# KiCad board helios-panel.kicad_pcb (continued)
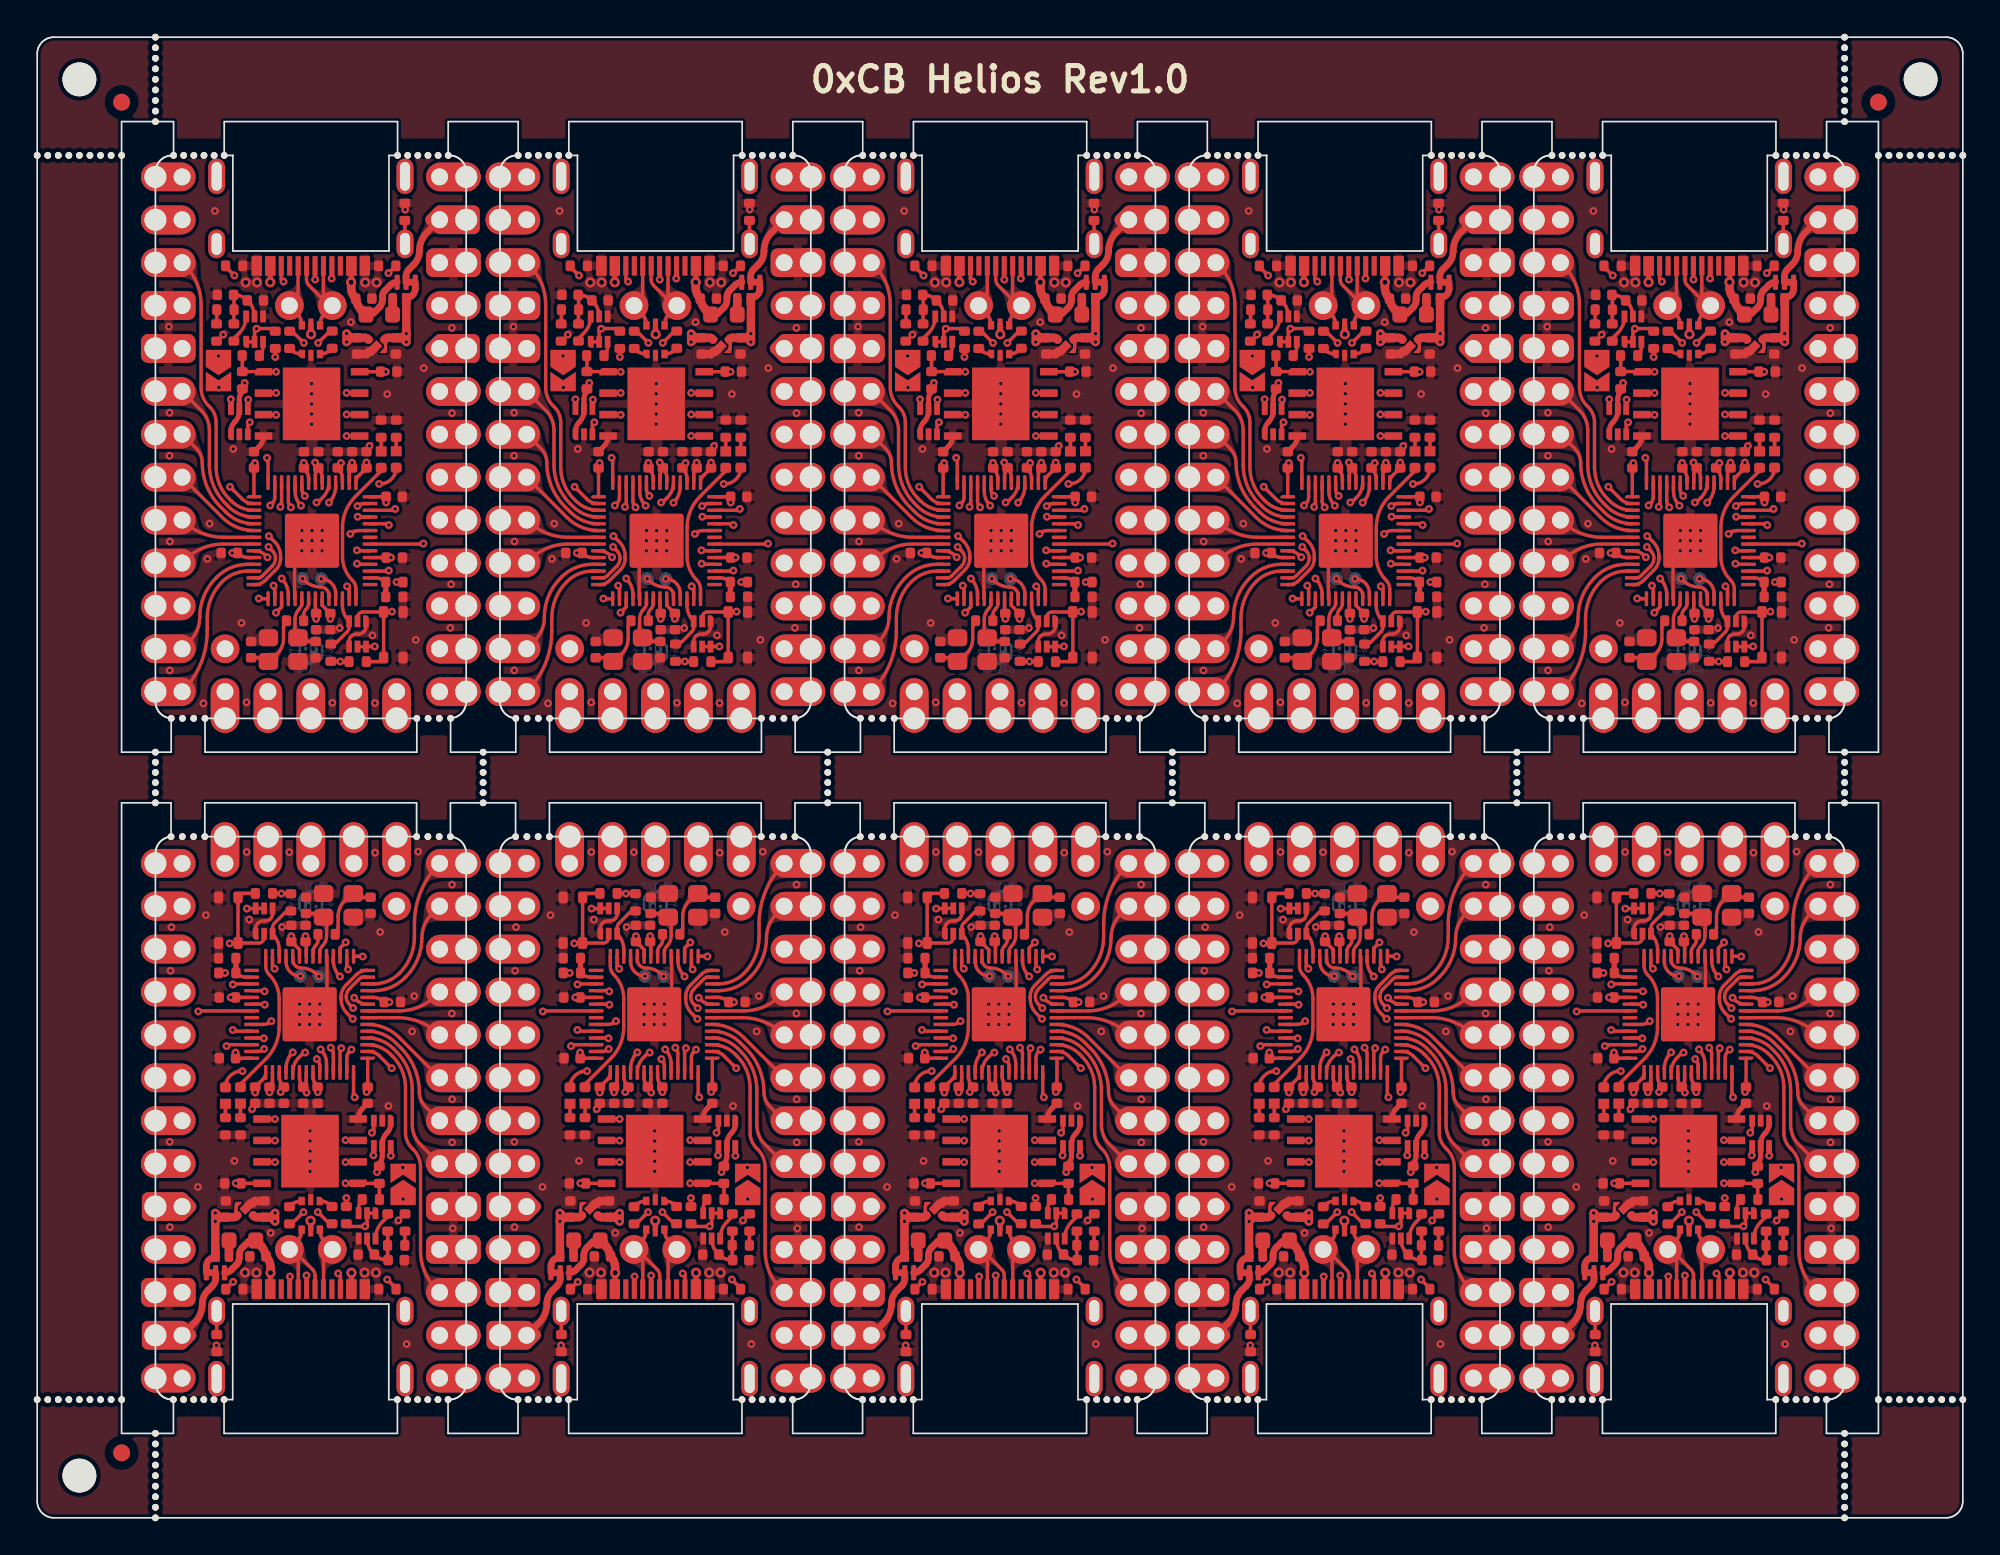
[diagram p0: board, top side]
## Copper pours and planes (outline as drawn; the poured copper is in the pictures) (continued)
Board_1-/PORT- on Top: 37.24,73.29 37.24,73.08 37.22,72.91 37.2,72.75 37.17,72.62 37.1,72.38 37.07,72.26 37.04,72.12 37.03,71.96 37.02,71.77 38.13,71.43 38.25,72.53 38.12,72.59 37.88,72.69 37.77,72.74 37.68,72.79 37.6,72.85 37.53,72.93 37.49,73.02 37.46,73.15 37.45,73.29
Board_1-/PORT- on Top: 36.51,72.8 36.65,72.65 36.75,72.5 36.82,72.37 36.87,72.24 36.9,72.11 36.95,71.84 36.98,71.7 37.04,71.54 37.12,71.37 38.21,71.52 38.02,72.61 37.85,72.63 37.69,72.64 37.55,72.63 37.42,72.63 37.29,72.63 37.17,72.64 37.05,72.67 36.93,72.73 36.8,72.82 36.65,72.94
Board_1-/PORT- on Top: 37.24,70.6 37.25,70.67 37.26,70.74 37.29,70.8 37.31,70.86 37.34,70.91 37.37,70.95 37.45,71.03 38.13,72.11 37.26,71.18 37.18,71.06 37.15,71 37.12,70.94 37.09,70.86 37.07,70.78 37.05,70.69 37.04,70.6
Board_1-/RAW on Top: 43.31,75.47 43.39,75.64 43.47,75.77 43.56,75.87 43.66,75.94 43.76,76 43.88,76.04 44.01,76.07 44.14,76.1 44.29,76.14 44.45,76.19 44.47,77.1 43.56,77.08 43.49,76.9 43.43,76.75 43.38,76.62 43.32,76.5 43.21,76.27 43.15,76.14 43.09,75.99 43.02,75.82 42.94,75.61
Board_1-/RESET on In2.Cu: 43.32,70.35 43.42,70.51 43.52,70.63 43.62,70.72 43.73,70.78 43.85,70.81 43.97,70.84 44.1,70.86 44.25,70.89 44.4,70.93 44.56,70.99 44.5,72.09 43.4,71.98 43.36,71.8 43.34,71.63 43.33,71.49 43.33,71.35 43.33,71.22 43.33,71.09 43.32,70.96 43.29,70.81 43.23,70.64 43.14,70.44
Board_1-/RGB_5V on In2.Cu: 31.78,53.14 31.69,52.95 31.59,52.79 31.5,52.67 31.41,52.56 31.31,52.47 31.22,52.39 31.12,52.29 31.02,52.19 30.91,52.06 30.8,51.9 31.48,51.03 32.32,51.74 32.26,51.9 32.18,52.04 32.1,52.16 32.03,52.27 31.96,52.38 31.91,52.49 31.88,52.61 31.88,52.74 31.9,52.89 31.97,53.06
Board_1-GND on Top: 42.19,69.38 42.2,68.38 38.8,68.38 38.8,69.38
Board_1-GND on Top, Bottom: 24.92,84.87 49.42,84.87 49.42,45.37 24.92,45.37
Board_1-Net-(C8-Pad2) on Top: 34.79,51.59 34.74,51.48 34.68,51.4 34.61,51.34 34.54,51.29 34.46,51.27 34.38,51.25 34.29,51.24 34.19,51.22 34.09,51.21 33.98,51.19 33.9,50.54 34.55,50.51 34.98,51.51
Board_1-Net-(J1-SHIELD) on Top: 42.07,76.41 42.06,76.3 42.05,76.2 42.03,76.12 41.99,76.05 41.96,75.99 41.91,75.93 41.87,75.87 41.82,75.8 41.77,75.73 41.72,75.63 42.18,75.17 42.62,75.64 42.57,75.73 42.52,75.81 42.47,75.88 42.43,75.93 42.38,75.99 42.35,76.05 42.32,76.12 42.29,76.2 42.28,76.3 42.27,76.41
Board_1-Net-(U4-XTAL_IN) on Top: 35.56,53.07 35.56,52.94 35.55,52.83 35.52,52.74 35.5,52.66 35.47,52.59 35.44,52.52 35.41,52.44 35.38,52.36 35.36,52.26 35.34,52.15 35.93,51.87 36.19,52.46 36.12,52.52 36.05,52.58 35.99,52.62 35.94,52.67 35.89,52.71 35.85,52.76 35.81,52.82 35.79,52.89 35.77,52.97 35.77,53.07
Board_2-+3V3 on In1.Cu, In2.Cu: 44.33,83.87 68.83,83.87 68.83,44.37 44.33,44.37
Board_2-/0_TX0 on In1.Cu: 50.18,75.29 50.08,75.46 50.02,75.61 50,75.75 50,75.88 50.02,76 50.06,76.13 50.1,76.26 50.15,76.4 50.19,76.56 50.22,76.74 49.25,77.25 48.77,76.26 48.92,76.12 49.05,76.01 49.18,75.92 49.3,75.85 49.41,75.78 49.53,75.7 49.64,75.62 49.76,75.5 49.88,75.36 50.01,75.18
Board_2-/1_RX0 on Top: 50.42,72.95 50.35,73.15 50.31,73.33 50.29,73.48 50.28,73.62 50.28,73.75 50.28,73.88 50.28,74.02 50.27,74.16 50.25,74.32 50.21,74.51 49.11,74.64 49.03,73.54 49.19,73.47 49.34,73.43 49.49,73.41 49.62,73.38 49.75,73.36 49.87,73.32 49.98,73.26 50.07,73.17 50.16,73.05 50.23,72.88
Board_2-/2_SDA1 on Top: 51.03,64.85 50.95,65.14 50.86,65.39 50.77,65.59 50.69,65.77 50.61,65.93 50.52,66.09 50.44,66.25 50.36,66.44 50.28,66.65 50.2,66.91 49.08,66.99 49.1,65.89 49.35,65.81 49.59,65.75 49.81,65.71 50.01,65.66 50.19,65.6 50.36,65.52 50.51,65.41 50.64,65.26 50.75,65.06 50.84,64.8
Board_2-/3_SCL1 on Top: 50.67,62.57 50.64,62.8 50.6,63 50.55,63.16 50.5,63.3 50.44,63.43 50.39,63.56 50.34,63.7 50.29,63.84 50.25,64.02 50.23,64.23 49.08,64.45 49.1,63.35 49.3,63.29 49.49,63.25 49.68,63.22 49.85,63.19 50.01,63.16 50.15,63.1 50.27,63.03 50.36,62.91 50.43,62.76 50.47,62.55
Board_2-/4 on Top: 50.65,60.49 50.51,60.64 50.42,60.77 50.36,60.9 50.32,61.03 50.3,61.15 50.29,61.28 50.28,61.41 50.26,61.56 50.23,61.71 50.18,61.89 49.08,61.91 49.1,60.81 49.28,60.76 49.43,60.73 49.58,60.71 49.71,60.7 49.84,60.69 49.96,60.67 50.09,60.63 50.22,60.57 50.35,60.48 50.5,60.34
Board_2-/5 on Top: 50.85,58.3 50.68,58.36 50.56,58.44 50.46,58.53 50.4,58.63 50.35,58.74 50.32,58.87 50.29,59 50.26,59.14 50.21,59.29 50.14,59.44 49.05,59.33 49.2,58.24 49.39,58.21 49.56,58.19 49.71,58.19 49.84,58.2 49.97,58.2 50.1,58.21 50.24,58.21 50.4,58.2 50.58,58.16 50.79,58.11
Board_2-/6 on Top: 50.74,57.57 50.53,57.51 50.35,57.47 50.2,57.44 50.06,57.43 49.93,57.43 49.8,57.43 49.67,57.43 49.53,57.42 49.36,57.4 49.17,57.35 49.05,56.26 50.15,56.18 50.22,56.34 50.26,56.5 50.28,56.64 50.31,56.78 50.33,56.91 50.37,57.02 50.43,57.13 50.51,57.23 50.64,57.31 50.8,57.38
Board_2-/7 on In2.Cu: 51.02,54.36 50.84,54.31 50.68,54.29 50.55,54.31 50.43,54.35 50.32,54.4 50.21,54.47 50.1,54.55 49.98,54.63 49.85,54.71 49.69,54.78 48.96,53.96 49.81,53.26 49.97,53.36 50.1,53.46 50.21,53.56 50.3,53.66 50.39,53.75 50.49,53.84 50.59,53.93 50.72,54.01 50.88,54.09 51.08,54.17
Board_2-/8 on Top: 50.26,52.84 50.2,52.67 50.13,52.55 50.03,52.47 49.93,52.41 49.81,52.38 49.67,52.36 49.53,52.34 49.38,52.32 49.22,52.29 49.06,52.24 49.1,51.13 50.2,51.24 50.25,51.42 50.28,51.58 50.3,51.73 50.31,51.86 50.33,52.11 50.35,52.25 50.37,52.4 50.41,52.58 50.46,52.79
Board_2-/9 on Top: 50.27,50.33 50.18,50.17 50.08,50.05 49.98,49.96 49.87,49.91 49.75,49.87 49.63,49.84 49.49,49.82 49.35,49.79 49.2,49.75 49.03,49.69 49.11,48.59 50.2,48.7 50.24,48.89 50.26,49.05 50.27,49.2 50.27,49.33 50.26,49.46 50.27,49.59 50.28,49.73 50.31,49.88 50.37,50.05 50.45,50.25
Board_2-/10 on In2.Cu: 50.41,78.02 50.33,78.22 50.29,78.4 50.26,78.55 50.25,78.69 50.26,78.82 50.26,78.95 50.27,79.09 50.26,79.23 50.24,79.4 50.21,79.59 49.11,79.72 49.02,78.62 49.18,78.55 49.33,78.51 49.48,78.48 49.61,78.45 49.73,78.42 49.85,78.38 49.95,78.32 50.05,78.23 50.14,78.11 50.22,77.94
Board_2-/11 on In1.Cu: 63.79,77.94 63.87,78.11 63.95,78.23 64.05,78.32 64.16,78.38 64.27,78.42 64.39,78.45 64.53,78.48 64.67,78.51 64.82,78.56 64.98,78.62 64.89,79.72 63.79,79.59 63.76,79.4 63.74,79.23 63.74,79.08 63.74,78.95 63.75,78.82 63.75,78.69 63.74,78.55 63.72,78.4 63.67,78.22 63.6,78.02
Board_2-/12 on In1.Cu: 52.87,50.3 52.77,50.14 52.66,50.03 52.55,49.95 52.43,49.89 52.31,49.86 52.19,49.84 52.06,49.82 51.91,49.79 51.76,49.75 51.59,49.69 51.64,48.59 52.74,48.68 52.78,48.87 52.8,49.03 52.81,49.17 52.81,49.44 52.82,49.57 52.84,49.7 52.88,49.85 52.95,50.01 53.05,50.2
Board_2-/13 on In1.Cu: 54.36,50.6 54.35,50.4 54.32,50.24 54.27,50.1 54.21,49.99 54.13,49.88 54.05,49.79 53.96,49.69 53.87,49.57 53.78,49.44 53.69,49.28 54.46,48.48 55.22,49.28 55.14,49.44 55.05,49.57 54.96,49.69 54.87,49.79 54.79,49.88 54.71,49.99 54.65,50.1 54.6,50.24 54.57,50.4 54.56,50.6
Board_2-/14 on In1.Cu: 55.83,50.16 55.93,49.98 56,49.82 56.05,49.68 56.07,49.54 56.09,49.42 56.1,49.15 56.11,49.01 56.14,48.85 56.19,48.67 57.29,48.6 57.31,49.7 57.14,49.76 56.99,49.79 56.84,49.81 56.7,49.83 56.58,49.85 56.46,49.88 56.34,49.92 56.22,50 56.11,50.11 56,50.27
Board_2-/15 on In1.Cu: 58.27,50.03 58.41,49.88 58.5,49.75 58.56,49.62 58.6,49.49 58.62,49.37 58.63,49.24 58.64,49.11 58.66,48.96 58.69,48.81 58.74,48.63 59.84,48.61 59.82,49.71 59.64,49.76 59.49,49.79 59.34,49.81 59.21,49.82 59.08,49.83 58.96,49.85 58.83,49.89 58.7,49.95 58.57,50.04 58.42,50.18
Board_2-/16 on In1.Cu: 60.83,50.08 60.95,49.92 61.04,49.77 61.09,49.63 61.13,49.5 61.15,49.37 61.16,49.25 61.17,49.11 61.19,48.97 61.22,48.81 61.28,48.63 62.38,48.61 62.36,49.71 62.18,49.76 62.03,49.79 61.88,49.81 61.74,49.82 61.61,49.83 61.49,49.85 61.37,49.89 61.25,49.96 61.12,50.06 60.99,50.21
Board_2-/20_SDI on In1.Cu: 63.35,55.11 63.49,54.96 63.58,54.83 63.64,54.7 63.68,54.57 63.7,54.45 63.71,54.32 63.72,54.19 63.74,54.04 63.77,53.89 63.82,53.71 64.92,53.69 64.9,54.79 64.72,54.84 64.57,54.87 64.42,54.89 64.29,54.9 64.16,54.91 64.04,54.93 63.91,54.97 63.78,55.03 63.65,55.12 63.5,55.26
Board_2-/21_CS on In1.Cu: 63.35,50.03 63.49,49.88 63.58,49.75 63.64,49.62 63.68,49.49 63.7,49.37 63.71,49.24 63.72,49.11 63.74,48.96 63.77,48.81 63.82,48.63 64.92,48.61 64.9,49.71 64.72,49.76 64.57,49.79 64.42,49.81 64.29,49.82 64.16,49.83 64.04,49.85 63.91,49.89 63.78,49.95 63.65,50.04 63.5,50.18
Board_2-/22_SCK on In1.Cu: 63.11,57.19 63.28,57.15 63.41,57.09 63.51,57.01 63.58,56.92 63.63,56.81 63.67,56.69 63.71,56.56 63.75,56.43 63.8,56.28 63.87,56.13 64.96,56.28 64.75,57.37 64.56,57.39 64.39,57.4 64.25,57.4 64.11,57.39 63.85,57.36 63.71,57.35 63.55,57.35 63.37,57.36 63.15,57.39
Board_2-/23_SDO on In2.Cu: 63.6,52.82 63.66,52.61 63.7,52.44 63.72,52.28 63.72,52.14 63.73,52.01 63.72,51.88 63.73,51.75 63.73,51.6 63.75,51.44 63.79,51.25 64.89,51.12 64.98,52.22 64.81,52.28 64.66,52.33 64.52,52.35 64.38,52.38 64.25,52.41 64.14,52.44 64.03,52.5 63.94,52.59 63.86,52.72 63.79,52.88
Board_2-/A0 on In1.Cu: 62.97,58.67 63.19,58.66 63.38,58.63 63.53,58.59 63.67,58.54 63.79,58.48 63.91,58.41 64.03,58.35 64.18,58.3 64.34,58.25 64.54,58.22 65.02,59.22 64.01,59.66 63.9,59.54 63.81,59.42 63.66,59.2 63.58,59.11 63.5,59.03 63.4,58.97 63.29,58.92 63.14,58.89 62.97,58.88
Board_2-/A1 on In1.Cu: 63.5,60.34 63.65,60.48 63.78,60.57 63.91,60.63 64.04,60.67 64.16,60.69 64.29,60.7 64.42,60.71 64.57,60.73 64.72,60.76 64.9,60.81 64.92,61.91 63.82,61.89 63.77,61.71 63.74,61.56 63.72,61.41 63.71,61.28 63.7,61.15 63.68,61.03 63.64,60.9 63.58,60.77 63.49,60.64 63.35,60.49
Board_2-/A2 on In1.Cu: 63.5,62.88 63.65,63.02 63.78,63.11 63.91,63.17 64.04,63.21 64.16,63.23 64.29,63.24 64.42,63.25 64.57,63.27 64.72,63.3 64.9,63.35 64.92,64.45 63.82,64.43 63.77,64.25 63.74,64.1 63.72,63.95 63.71,63.82 63.7,63.69 63.68,63.57 63.64,63.44 63.58,63.31 63.49,63.18 63.35,63.03
Board_2-/A3 on In1.Cu: 63.5,65.42 63.65,65.56 63.78,65.65 63.91,65.71 64.04,65.75 64.16,65.77 64.29,65.78 64.42,65.79 64.57,65.81 64.72,65.84 64.9,65.89 64.92,66.99 63.82,66.97 63.77,66.79 63.74,66.64 63.72,66.49 63.71,66.36 63.7,66.23 63.68,66.11 63.64,65.98 63.58,65.85 63.49,65.72 63.35,65.57
Board_2-/PORT+ on Top: 56.57,70.6 56.56,70.69 56.54,70.78 56.52,70.86 56.49,70.94 56.45,71.01 56.42,71.06 56.34,71.18 55.47,72.1 56.16,71.04 56.24,70.95 56.27,70.91 56.3,70.86 56.32,70.8 56.35,70.74 56.36,70.67 56.37,70.6
Board_2-/PORT+ on Top: 56.14,73.31 56.13,73.15 56.1,73.03 56.05,72.93 55.99,72.85 55.91,72.79 55.81,72.74 55.71,72.69 55.59,72.64 55.47,72.59 55.34,72.53 55.47,71.43 56.58,71.77 56.57,71.96 56.56,72.12 56.53,72.26 56.5,72.38 56.43,72.63 56.4,72.76 56.37,72.91 56.35,73.09 56.34,73.31
Board_2-/PORT+ on In1.Cu: 56.94,72.96 56.8,72.83 56.66,72.74 56.54,72.68 56.42,72.65 56.3,72.64 56.17,72.64 56.04,72.64 55.9,72.64 55.74,72.63 55.56,72.6 55.39,71.51 56.49,71.38 56.57,71.56 56.62,71.72 56.65,71.86 56.7,72.12 56.73,72.25 56.77,72.38 56.84,72.52 56.94,72.66 57.08,72.82
Board_2-/PORT- on Top: 57.64,73.29 57.64,73.08 57.62,72.91 57.6,72.75 57.57,72.62 57.5,72.38 57.47,72.26 57.44,72.12 57.43,71.96 57.42,71.77 58.53,71.43 58.65,72.53 58.52,72.59 58.28,72.69 58.17,72.74 58.08,72.79 58,72.85 57.93,72.93 57.89,73.02 57.86,73.15 57.84,73.29
Board_2-/PORT- on Top: 56.91,72.8 57.05,72.65 57.15,72.5 57.22,72.37 57.27,72.24 57.3,72.11 57.35,71.84 57.38,71.7 57.44,71.54 57.52,71.37 58.61,71.52 58.42,72.61 58.25,72.63 58.09,72.64 57.95,72.63 57.82,72.63 57.69,72.63 57.57,72.64 57.45,72.67 57.33,72.73 57.2,72.82 57.05,72.94
Board_2-/PORT- on Top: 57.64,70.6 57.65,70.67 57.66,70.74 57.69,70.8 57.71,70.86 57.74,70.91 57.77,70.95 57.85,71.03 58.53,72.11 57.66,71.18 57.58,71.06 57.55,71 57.52,70.94 57.49,70.86 57.47,70.78 57.45,70.69 57.44,70.6
Board_2-/RAW on Top: 63.71,75.47 63.79,75.64 63.87,75.77 63.96,75.87 64.06,75.94 64.16,76 64.28,76.04 64.41,76.07 64.54,76.1 64.69,76.14 64.85,76.19 64.87,77.1 63.96,77.08 63.89,76.9 63.83,76.75 63.78,76.62 63.72,76.5 63.61,76.27 63.55,76.14 63.49,75.99 63.42,75.82 63.34,75.61
Board_2-/RESET on In2.Cu: 63.72,70.35 63.82,70.51 63.92,70.63 64.02,70.72 64.13,70.78 64.25,70.81 64.37,70.84 64.5,70.86 64.65,70.89 64.8,70.93 64.96,70.99 64.9,72.09 63.8,71.98 63.76,71.8 63.74,71.63 63.73,71.49 63.73,71.35 63.73,71.22 63.73,71.09 63.72,70.96 63.69,70.81 63.63,70.64 63.54,70.44
Board_2-/RGB_5V on In2.Cu: 52.18,53.14 52.09,52.95 51.99,52.79 51.9,52.67 51.81,52.56 51.71,52.47 51.62,52.39 51.52,52.29 51.42,52.19 51.31,52.06 51.2,51.9 51.88,51.03 52.72,51.74 52.66,51.9 52.58,52.04 52.5,52.16 52.43,52.27 52.36,52.38 52.31,52.49 52.28,52.61 52.28,52.74 52.3,52.89 52.37,53.06
Board_2-GND on Top: 62.58,69.38 62.59,68.38 59.2,68.38 59.2,69.38
Board_2-GND on Top, Bottom: 45.33,84.87 69.83,84.87 69.83,45.37 45.33,45.37
Board_2-Net-(C8-Pad2) on Top: 55.19,51.59 55.14,51.48 55.08,51.4 55.01,51.34 54.94,51.29 54.86,51.27 54.78,51.25 54.69,51.24 54.59,51.22 54.49,51.21 54.38,51.19 54.3,50.54 54.95,50.51 55.38,51.51
Board_2-Net-(J1-SHIELD) on Top: 62.47,76.41 62.46,76.3 62.45,76.2 62.43,76.12 62.39,76.05 62.36,75.99 62.31,75.93 62.27,75.87 62.22,75.8 62.17,75.73 62.12,75.63 62.58,75.17 63.02,75.64 62.97,75.73 62.92,75.81 62.87,75.88 62.83,75.93 62.78,75.99 62.75,76.05 62.72,76.12 62.69,76.2 62.68,76.3 62.67,76.41
Board_2-Net-(U4-XTAL_IN) on Top: 55.97,53.07 55.96,52.94 55.95,52.83 55.92,52.74 55.9,52.66 55.87,52.59 55.84,52.52 55.81,52.44 55.78,52.36 55.76,52.26 55.74,52.15 56.33,51.87 56.59,52.46 56.52,52.52 56.45,52.58 56.39,52.62 56.34,52.67 56.29,52.71 56.25,52.76 56.21,52.82 56.19,52.89 56.17,52.97 56.17,53.07
Board_3-+3V3 on In1.Cu, In2.Cu: 64.72,83.87 89.22,83.87 89.22,44.37 64.72,44.37
Board_3-/0_TX0 on In1.Cu: 70.58,75.29 70.48,75.46 70.42,75.61 70.4,75.75 70.4,75.88 70.42,76 70.46,76.13 70.5,76.26 70.55,76.4 70.59,76.56 70.62,76.74 69.65,77.25 69.17,76.26 69.32,76.12 69.45,76.01 69.58,75.92 69.7,75.85 69.81,75.78 69.93,75.7 70.04,75.62 70.16,75.5 70.28,75.36 70.41,75.18
Board_3-/1_RX0 on Top: 70.82,72.95 70.75,73.15 70.71,73.33 70.69,73.48 70.68,73.62 70.68,73.75 70.68,73.88 70.68,74.02 70.67,74.16 70.65,74.32 70.61,74.51 69.51,74.64 69.43,73.54 69.59,73.47 69.74,73.43 69.89,73.41 70.02,73.38 70.15,73.36 70.27,73.32 70.38,73.26 70.47,73.17 70.56,73.05 70.63,72.88
Board_3-/2_SDA1 on Top: 71.43,64.85 71.35,65.14 71.26,65.39 71.17,65.59 71.09,65.77 71.01,65.93 70.92,66.09 70.84,66.25 70.76,66.44 70.68,66.65 70.6,66.91 69.48,66.99 69.5,65.89 69.75,65.81 69.99,65.75 70.21,65.71 70.41,65.66 70.59,65.6 70.76,65.52 70.91,65.41 71.04,65.26 71.15,65.06 71.24,64.8
Board_3-/3_SCL1 on Top: 71.07,62.57 71.04,62.8 71,63 70.95,63.16 70.9,63.3 70.84,63.43 70.79,63.56 70.74,63.7 70.69,63.84 70.65,64.02 70.63,64.23 69.48,64.45 69.5,63.35 69.7,63.29 69.89,63.25 70.08,63.22 70.25,63.19 70.41,63.16 70.55,63.1 70.67,63.03 70.76,62.91 70.83,62.76 70.87,62.55
Board_3-/4 on Top: 71.05,60.49 70.91,60.64 70.82,60.77 70.76,60.9 70.72,61.03 70.7,61.15 70.69,61.28 70.68,61.41 70.66,61.56 70.63,61.71 70.58,61.89 69.48,61.91 69.5,60.81 69.68,60.76 69.83,60.73 69.98,60.71 70.11,60.7 70.24,60.69 70.36,60.67 70.49,60.63 70.62,60.57 70.75,60.48 70.9,60.34
Board_3-/5 on Top: 71.25,58.3 71.08,58.36 70.96,58.44 70.86,58.53 70.8,58.63 70.75,58.74 70.72,58.87 70.69,59 70.66,59.14 70.61,59.29 70.54,59.44 69.45,59.33 69.6,58.24 69.79,58.21 69.96,58.19 70.11,58.19 70.24,58.2 70.37,58.2 70.5,58.21 70.64,58.21 70.8,58.2 70.98,58.16 71.19,58.11
Board_3-/6 on Top: 71.14,57.57 70.93,57.51 70.75,57.47 70.6,57.44 70.46,57.43 70.33,57.43 70.2,57.43 70.07,57.43 69.93,57.42 69.76,57.4 69.57,57.35 69.45,56.26 70.55,56.18 70.62,56.34 70.66,56.5 70.68,56.64 70.71,56.78 70.73,56.91 70.77,57.02 70.83,57.13 70.91,57.23 71.04,57.31 71.2,57.38
Board_3-/7 on In2.Cu: 71.42,54.36 71.24,54.31 71.08,54.29 70.95,54.31 70.83,54.35 70.72,54.4 70.61,54.47 70.5,54.55 70.38,54.63 70.25,54.71 70.09,54.78 69.36,53.96 70.21,53.26 70.37,53.36 70.5,53.46 70.61,53.56 70.7,53.66 70.79,53.75 70.89,53.84 70.99,53.93 71.12,54.01 71.28,54.09 71.48,54.17
Board_3-/8 on Top: 70.66,52.84 70.6,52.67 70.53,52.55 70.43,52.47 70.33,52.41 70.21,52.38 70.07,52.36 69.93,52.34 69.78,52.32 69.62,52.29 69.46,52.24 69.5,51.13 70.6,51.24 70.65,51.42 70.68,51.58 70.7,51.73 70.71,51.86 70.73,52.11 70.75,52.25 70.77,52.4 70.81,52.58 70.86,52.79
Board_3-/9 on Top: 70.67,50.33 70.58,50.17 70.48,50.05 70.38,49.96 70.27,49.91 70.15,49.87 70.03,49.84 69.89,49.82 69.75,49.79 69.6,49.75 69.43,49.69 69.51,48.59 70.6,48.7 70.64,48.89 70.66,49.05 70.67,49.2 70.67,49.33 70.66,49.46 70.67,49.59 70.68,49.73 70.71,49.88 70.77,50.05 70.85,50.25
Board_3-/10 on In2.Cu: 70.81,78.02 70.73,78.22 70.69,78.4 70.66,78.55 70.65,78.69 70.66,78.82 70.66,78.95 70.67,79.09 70.66,79.23 70.64,79.4 70.61,79.59 69.51,79.72 69.42,78.62 69.58,78.55 69.73,78.51 69.88,78.48 70.01,78.45 70.13,78.42 70.25,78.38 70.35,78.32 70.45,78.23 70.54,78.11 70.62,77.94
Board_3-/11 on In1.Cu: 84.19,77.94 84.27,78.11 84.35,78.23 84.45,78.32 84.56,78.38 84.67,78.42 84.79,78.45 84.93,78.48 85.07,78.51 85.22,78.56 85.38,78.62 85.29,79.72 84.19,79.59 84.16,79.4 84.14,79.23 84.14,79.08 84.14,78.95 84.15,78.82 84.15,78.69 84.14,78.55 84.12,78.4 84.07,78.22 84,78.02
Board_3-/12 on In1.Cu: 73.27,50.3 73.17,50.14 73.06,50.03 72.95,49.95 72.83,49.89 72.71,49.86 72.59,49.84 72.46,49.82 72.31,49.79 72.16,49.75 71.99,49.69 72.04,48.59 73.14,48.68 73.18,48.87 73.2,49.03 73.21,49.17 73.21,49.44 73.22,49.57 73.24,49.7 73.28,49.85 73.35,50.01 73.45,50.2
Board_3-/13 on In1.Cu: 74.76,50.6 74.75,50.4 74.72,50.24 74.67,50.1 74.61,49.99 74.53,49.88 74.45,49.79 74.36,49.69 74.27,49.57 74.18,49.44 74.09,49.28 74.86,48.48 75.62,49.28 75.54,49.44 75.45,49.57 75.36,49.69 75.27,49.79 75.19,49.88 75.11,49.99 75.05,50.1 75,50.24 74.97,50.4 74.96,50.6
Board_3-/14 on In1.Cu: 76.23,50.16 76.33,49.98 76.4,49.82 76.45,49.68 76.47,49.54 76.49,49.42 76.5,49.15 76.51,49.01 76.54,48.85 76.59,48.67 77.69,48.6 77.71,49.7 77.54,49.76 77.39,49.79 77.24,49.81 77.1,49.83 76.98,49.85 76.86,49.88 76.74,49.92 76.62,50 76.51,50.11 76.4,50.27
Board_3-/15 on In1.Cu: 78.67,50.03 78.81,49.88 78.9,49.75 78.96,49.62 79,49.49 79.02,49.37 79.03,49.24 79.04,49.11 79.06,48.96 79.09,48.81 79.14,48.63 80.24,48.61 80.22,49.71 80.04,49.76 79.89,49.79 79.74,49.81 79.61,49.82 79.48,49.83 79.36,49.85 79.23,49.89 79.1,49.95 78.97,50.04 78.82,50.18
Board_3-/16 on In1.Cu: 81.23,50.08 81.35,49.92 81.44,49.77 81.49,49.63 81.53,49.5 81.55,49.37 81.56,49.25 81.57,49.11 81.59,48.97 81.62,48.81 81.68,48.63 82.78,48.61 82.76,49.71 82.58,49.76 82.43,49.79 82.28,49.81 82.14,49.82 82.01,49.83 81.89,49.85 81.77,49.89 81.65,49.96 81.52,50.06 81.39,50.21
Board_3-/20_SDI on In1.Cu: 83.75,55.11 83.89,54.96 83.98,54.83 84.04,54.7 84.08,54.57 84.1,54.45 84.11,54.32 84.12,54.19 84.14,54.04 84.17,53.89 84.22,53.71 85.32,53.69 85.3,54.79 85.12,54.84 84.97,54.87 84.82,54.89 84.69,54.9 84.56,54.91 84.44,54.93 84.31,54.97 84.18,55.03 84.05,55.12 83.9,55.26
Board_3-/21_CS on In1.Cu: 83.75,50.03 83.89,49.88 83.98,49.75 84.04,49.62 84.08,49.49 84.1,49.37 84.11,49.24 84.12,49.11 84.14,48.96 84.17,48.81 84.22,48.63 85.32,48.61 85.3,49.71 85.12,49.76 84.97,49.79 84.82,49.81 84.69,49.82 84.56,49.83 84.44,49.85 84.31,49.89 84.18,49.95 84.05,50.04 83.9,50.18
Board_3-/22_SCK on In1.Cu: 83.51,57.19 83.68,57.15 83.81,57.09 83.91,57.01 83.98,56.92 84.03,56.81 84.07,56.69 84.11,56.56 84.15,56.43 84.2,56.28 84.27,56.13 85.36,56.28 85.15,57.37 84.96,57.39 84.79,57.4 84.65,57.4 84.51,57.39 84.25,57.36 84.11,57.35 83.95,57.35 83.77,57.36 83.55,57.39
Board_3-/23_SDO on In2.Cu: 84,52.82 84.06,52.61 84.1,52.44 84.12,52.28 84.12,52.14 84.13,52.01 84.12,51.88 84.13,51.75 84.13,51.6 84.15,51.44 84.19,51.25 85.29,51.12 85.38,52.22 85.21,52.28 85.06,52.33 84.92,52.35 84.78,52.38 84.65,52.41 84.54,52.44 84.43,52.5 84.34,52.59 84.26,52.72 84.19,52.88
Board_3-/A0 on In1.Cu: 83.37,58.67 83.59,58.66 83.78,58.63 83.93,58.59 84.07,58.54 84.19,58.48 84.31,58.41 84.43,58.35 84.58,58.3 84.74,58.25 84.94,58.22 85.42,59.22 84.41,59.66 84.3,59.54 84.21,59.42 84.06,59.2 83.98,59.11 83.9,59.03 83.8,58.97 83.69,58.92 83.54,58.89 83.37,58.88
Board_3-/A1 on In1.Cu: 83.9,60.34 84.05,60.48 84.18,60.57 84.31,60.63 84.44,60.67 84.56,60.69 84.69,60.7 84.82,60.71 84.97,60.73 85.12,60.76 85.3,60.81 85.32,61.91 84.22,61.89 84.17,61.71 84.14,61.56 84.12,61.41 84.11,61.28 84.1,61.15 84.08,61.03 84.04,60.9 83.98,60.77 83.89,60.64 83.75,60.49
Board_3-/A2 on In1.Cu: 83.9,62.88 84.05,63.02 84.18,63.11 84.31,63.17 84.44,63.21 84.56,63.23 84.69,63.24 84.82,63.25 84.97,63.27 85.12,63.3 85.3,63.35 85.32,64.45 84.22,64.43 84.17,64.25 84.14,64.1 84.12,63.95 84.11,63.82 84.1,63.69 84.08,63.57 84.04,63.44 83.98,63.31 83.89,63.18 83.75,63.03
Board_3-/A3 on In1.Cu: 83.9,65.42 84.05,65.56 84.18,65.65 84.31,65.71 84.44,65.75 84.56,65.77 84.69,65.78 84.82,65.79 84.97,65.81 85.12,65.84 85.3,65.89 85.32,66.99 84.22,66.97 84.17,66.79 84.14,66.64 84.12,66.49 84.11,66.36 84.1,66.23 84.08,66.11 84.04,65.98 83.98,65.85 83.89,65.72 83.75,65.57
Board_3-/PORT+ on Top: 76.97,70.6 76.96,70.69 76.94,70.78 76.92,70.86 76.89,70.94 76.85,71.01 76.82,71.06 76.74,71.18 75.87,72.1 76.56,71.04 76.64,70.95 76.67,70.91 76.7,70.86 76.72,70.8 76.75,70.74 76.76,70.67 76.77,70.6
Board_3-/PORT+ on Top: 76.55,73.31 76.53,73.15 76.5,73.03 76.45,72.93 76.39,72.85 76.31,72.79 76.21,72.74 76.11,72.69 75.99,72.64 75.87,72.59 75.74,72.53 75.87,71.43 76.98,71.77 76.97,71.96 76.96,72.12 76.93,72.26 76.9,72.38 76.83,72.63 76.8,72.76 76.77,72.91 76.75,73.09 76.75,73.31
Board_3-/PORT+ on In1.Cu: 77.34,72.96 77.2,72.83 77.06,72.74 76.94,72.68 76.82,72.65 76.7,72.64 76.57,72.64 76.44,72.64 76.3,72.64 76.14,72.63 75.96,72.6 75.79,71.51 76.89,71.38 76.97,71.56 77.02,71.72 77.05,71.86 77.1,72.12 77.13,72.25 77.17,72.38 77.24,72.52 77.34,72.66 77.48,72.82
Board_3-/PORT- on Top: 78.05,73.29 78.04,73.08 78.02,72.91 78,72.75 77.97,72.62 77.9,72.38 77.87,72.26 77.84,72.12 77.83,71.96 77.82,71.77 78.93,71.43 79.05,72.53 78.92,72.59 78.68,72.69 78.57,72.74 78.48,72.79 78.4,72.85 78.33,72.93 78.29,73.02 78.26,73.15 78.25,73.29
Board_3-/PORT- on Top: 77.31,72.8 77.45,72.65 77.55,72.5 77.62,72.37 77.67,72.24 77.7,72.11 77.75,71.84 77.78,71.7 77.84,71.54 77.92,71.37 79.01,71.52 78.82,72.61 78.65,72.63 78.49,72.64 78.35,72.63 78.22,72.63 78.09,72.63 77.97,72.64 77.85,72.67 77.73,72.73 77.6,72.82 77.45,72.94
Board_3-/PORT- on Top: 78.04,70.6 78.05,70.67 78.06,70.74 78.09,70.8 78.11,70.86 78.14,70.91 78.17,70.95 78.25,71.03 78.93,72.11 78.06,71.18 77.98,71.06 77.95,71 77.92,70.94 77.89,70.86 77.87,70.78 77.85,70.69 77.84,70.6
Board_3-/RAW on Top: 84.11,75.47 84.19,75.64 84.27,75.77 84.36,75.87 84.46,75.94 84.56,76 84.68,76.04 84.81,76.07 84.94,76.1 85.09,76.14 85.25,76.19 85.27,77.1 84.36,77.08 84.29,76.9 84.23,76.75 84.18,76.62 84.12,76.5 84.01,76.27 83.95,76.14 83.89,75.99 83.82,75.82 83.74,75.61
Board_3-/RESET on In2.Cu: 84.12,70.35 84.22,70.51 84.32,70.63 84.42,70.72 84.53,70.78 84.65,70.81 84.77,70.84 84.9,70.86 85.05,70.89 85.2,70.93 85.36,70.99 85.3,72.09 84.2,71.98 84.16,71.8 84.14,71.63 84.13,71.49 84.13,71.35 84.13,71.22 84.13,71.09 84.12,70.96 84.09,70.81 84.03,70.64 83.94,70.44
Board_3-/RGB_5V on In2.Cu: 72.58,53.14 72.49,52.95 72.39,52.79 72.3,52.67 72.21,52.56 72.11,52.47 72.02,52.39 71.92,52.29 71.82,52.19 71.71,52.06 71.6,51.9 72.28,51.03 73.12,51.74 73.06,51.9 72.98,52.04 72.9,52.16 72.83,52.27 72.76,52.38 72.71,52.49 72.68,52.61 72.68,52.74 72.7,52.89 72.77,53.06
Board_3-GND on Top: 82.98,69.38 83,68.38 79.61,68.38 79.61,69.38
Board_3-GND on Top, Bottom: 65.72,84.87 90.22,84.87 90.22,45.37 65.72,45.37
Board_3-Net-(C8-Pad2) on Top: 75.59,51.59 75.54,51.48 75.48,51.4 75.41,51.34 75.34,51.29 75.26,51.27 75.18,51.25 75.09,51.24 74.99,51.22 74.89,51.21 74.78,51.19 74.7,50.54 75.35,50.51 75.78,51.51
Board_3-Net-(J1-SHIELD) on Top: 82.87,76.41 82.86,76.3 82.85,76.2 82.83,76.12 82.79,76.05 82.76,75.99 82.71,75.93 82.67,75.87 82.62,75.8 82.57,75.73 82.52,75.63 82.98,75.17 83.42,75.64 83.37,75.73 83.32,75.81 83.27,75.88 83.23,75.93 83.18,75.99 83.15,76.05 83.12,76.12 83.09,76.2 83.08,76.3 83.07,76.41
Board_3-Net-(U4-XTAL_IN) on Top: 76.36,53.07 76.36,52.94 76.35,52.83 76.32,52.74 76.3,52.66 76.27,52.59 76.24,52.52 76.21,52.44 76.18,52.36 76.16,52.26 76.14,52.15 76.73,51.87 76.99,52.46 76.92,52.52 76.85,52.58 76.79,52.62 76.74,52.67 76.69,52.71 76.65,52.76 76.61,52.82 76.59,52.89 76.57,52.97 76.56,53.07
Board_4-+3V3 on In1.Cu, In2.Cu: 85.12,83.87 109.62,83.87 109.62,44.37 85.12,44.37
Board_4-/0_TX0 on In1.Cu: 90.98,75.29 90.88,75.46 90.82,75.61 90.8,75.75 90.8,75.88 90.82,76 90.86,76.13 90.9,76.26 90.95,76.4 90.99,76.56 91.02,76.74 90.05,77.25 89.57,76.26 89.72,76.12 89.85,76.01 89.98,75.92 90.1,75.85 90.21,75.78 90.33,75.7 90.44,75.62 90.56,75.5 90.68,75.36 90.81,75.18
Board_4-/1_RX0 on Top: 91.22,72.95 91.15,73.15 91.11,73.33 91.09,73.48 91.08,73.62 91.08,73.75 91.08,73.88 91.08,74.02 91.07,74.16 91.05,74.32 91.01,74.51 89.91,74.64 89.83,73.54 89.99,73.47 90.14,73.43 90.29,73.41 90.42,73.38 90.55,73.36 90.67,73.32 90.78,73.26 90.87,73.17 90.96,73.05 91.03,72.88
